# EAGLE board Mk4 Final Panel 8up 4x2 (EAGLE 9.0.1), part 18 of 23
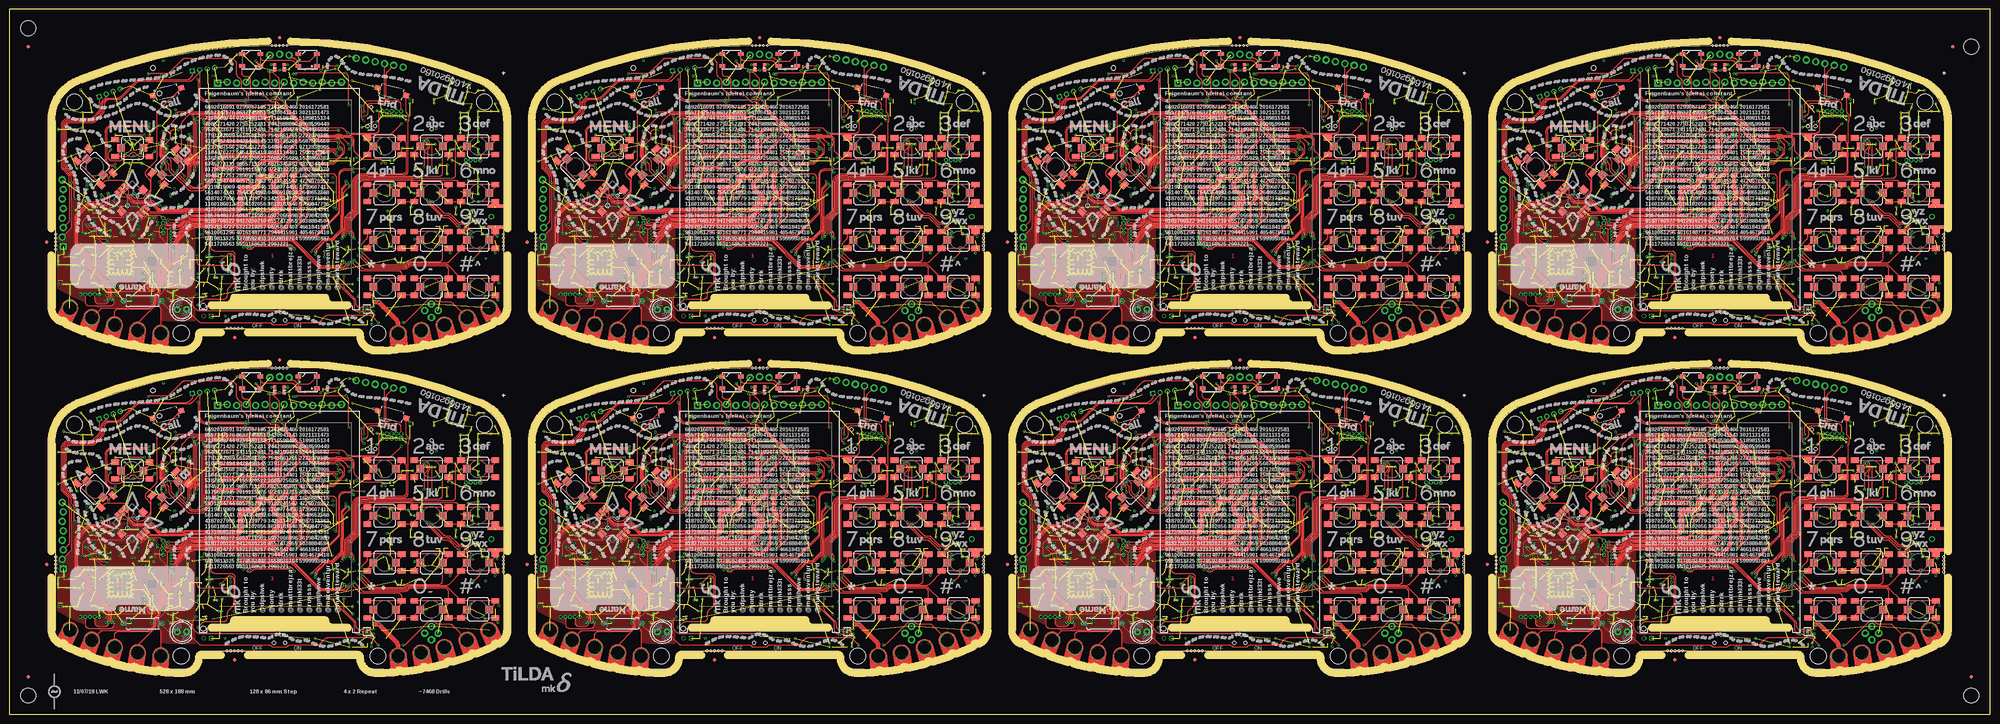
[diagram p0: board, top side]
## Tracks (layer width: path | path; a pad name or v marks a point on that pad's centre or on a via) (continued)
SDRAM_DQML  (via drill 0.3) (continued)
  Top 0.15: v53.25,63.75 53.5,63.75 arc90 54.5,64.75 54.5,68.7 arc90 53.5,69.7 arc-45 52.99,69.91 52.92,69.98 arc-45 52.7,70.51 52.7,71.59 arc-45 52.92,72.12 arc-45 53.54,72.38 arc45 53.84,72.5 54.05,72.71 arc-45 54.75,73 56.83,73 56.97,72.86 arc90 58.03,72.86 58.14,72.97 67.57,72.97 arc-45 67.92,72.83 68.96,71.79 arc-45 69.25,71.09 69.25,71 arc90 70.25,70 v71,70
  Bottom 0.15: IC2.15 53.61,63.9 arc45 v53.25,63.75 | IC1.81 72.2,71.61 arc-45 71.91,70.91 v71,70
SDRAM_DQML1  (via drill 0.3)
  Top 0.15: v181.25,63.75 181.5,63.75 arc90 182.5,64.75 182.5,68.7 arc90 181.5,69.7 arc-45 180.99,69.91 180.92,69.98 arc-45 180.7,70.51 180.7,71.59 arc-45 180.92,72.12 arc-45 181.54,72.38 arc45 181.84,72.5 182.05,72.71 arc-45 182.75,73 184.83,73 184.97,72.86 arc90 186.03,72.86 186.14,72.97 195.57,72.97 arc-45 195.92,72.83 196.96,71.79 arc-45 197.25,71.09 197.25,71 arc90 198.25,70 v199,70
  Bottom 0.15: IC19.15 181.61,63.9 arc45 v181.25,63.75 | IC20.81 200.2,71.61 arc-45 199.91,70.91 v199,70
SDRAM_DQML2  (via drill 0.3)
  Top 0.15: v53.25,149.75 53.5,149.75 arc90 54.5,150.75 54.5,154.7 arc90 53.5,155.7 arc-45 52.99,155.91 52.92,155.98 arc-45 52.7,156.51 52.7,157.59 arc-45 52.92,158.12 arc-45 53.54,158.38 arc45 53.84,158.5 54.05,158.71 arc-45 54.75,159 56.83,159 56.97,158.86 arc90 58.03,158.86 58.14,158.97 67.57,158.97 arc-45 67.92,158.83 68.96,157.79 arc-45 69.25,157.09 69.25,157 arc90 70.25,156 v71,156
  Bottom 0.15: IC37.15 53.61,149.9 arc45 v53.25,149.75 | IC38.81 72.2,157.61 arc-45 71.91,156.91 v71,156
SDRAM_DQML3  (via drill 0.3)
  Top 0.15: v181.25,149.75 181.5,149.75 arc90 182.5,150.75 182.5,154.7 arc90 181.5,155.7 arc-45 180.99,155.91 180.92,155.98 arc-45 180.7,156.51 180.7,157.59 arc-45 180.92,158.12 arc-45 181.54,158.38 arc45 181.84,158.5 182.05,158.71 arc-45 182.75,159 184.83,159 184.97,158.86 arc90 186.03,158.86 186.14,158.97 195.57,158.97 arc-45 195.92,158.83 196.96,157.79 arc-45 197.25,157.09 197.25,157 arc90 198.25,156 v199,156
  Bottom 0.15: IC55.15 181.61,149.9 arc45 v181.25,149.75 | IC56.81 200.2,157.61 arc-45 199.91,156.91 v199,156
SDRAM_DQML4  (via drill 0.3)
  Top 0.15: v309.25,63.75 309.5,63.75 arc90 310.5,64.75 310.5,68.7 arc90 309.5,69.7 arc-45 308.99,69.91 308.92,69.98 arc-45 308.7,70.51 308.7,71.59 arc-45 308.92,72.12 arc-45 309.54,72.38 arc45 309.84,72.5 310.05,72.71 arc-45 310.75,73 312.83,73 312.97,72.86 arc90 314.03,72.86 314.14,72.97 323.57,72.97 arc-45 323.92,72.83 324.96,71.79 arc-45 325.25,71.09 325.25,71 arc90 326.25,70 v327,70
  Bottom 0.15: IC73.15 309.61,63.9 arc45 v309.25,63.75 | IC74.81 328.2,71.61 arc-45 327.91,70.91 v327,70
SDRAM_DQML5  (via drill 0.3)
  Top 0.15: v437.25,63.75 437.5,63.75 arc90 438.5,64.75 438.5,68.7 arc90 437.5,69.7 arc-45 436.99,69.91 436.92,69.98 arc-45 436.7,70.51 436.7,71.59 arc-45 436.92,72.12 arc-45 437.54,72.38 arc45 437.84,72.5 438.05,72.71 arc-45 438.75,73 440.83,73 440.97,72.86 arc90 442.03,72.86 442.14,72.97 451.57,72.97 arc-45 451.92,72.83 452.96,71.79 arc-45 453.25,71.09 453.25,71 arc90 454.25,70 v455,70
  Bottom 0.15: IC91.15 437.61,63.9 arc45 v437.25,63.75 | IC92.81 456.2,71.61 arc-45 455.91,70.91 v455,70
SDRAM_DQML6  (via drill 0.3)
  Top 0.15: v309.25,149.75 309.5,149.75 arc90 310.5,150.75 310.5,154.7 arc90 309.5,155.7 arc-45 308.99,155.91 308.92,155.98 arc-45 308.7,156.51 308.7,157.59 arc-45 308.92,158.12 arc-45 309.54,158.38 arc45 309.84,158.5 310.05,158.71 arc-45 310.75,159 312.83,159 312.97,158.86 arc90 314.03,158.86 314.14,158.97 323.57,158.97 arc-45 323.92,158.83 324.96,157.79 arc-45 325.25,157.09 325.25,157 arc90 326.25,156 v327,156
  Bottom 0.15: IC109.15 309.61,149.9 arc45 v309.25,149.75 | IC110.81 328.2,157.61 arc-45 327.91,156.91 v327,156
SDRAM_DQML7  (via drill 0.3)
  Top 0.15: v437.25,149.75 437.5,149.75 arc90 438.5,150.75 438.5,154.7 arc90 437.5,155.7 arc-45 436.99,155.91 436.92,155.98 arc-45 436.7,156.51 436.7,157.59 arc-45 436.92,158.12 arc-45 437.54,158.38 arc45 437.84,158.5 438.05,158.71 arc-45 438.75,159 440.83,159 440.97,158.86 arc90 442.03,158.86 442.14,158.97 451.57,158.97 arc-45 451.92,158.83 452.96,157.79 arc-45 453.25,157.09 453.25,157 arc90 454.25,156 v455,156
  Bottom 0.15: IC127.15 437.61,149.9 arc45 v437.25,149.75 | IC128.81 456.2,157.61 arc-45 455.91,156.91 v455,156
SIM_CLK  (via drill 0.3)
  Top 0.2: v112,51 112,50.91 arc45 112.29,50.21 115.21,47.29 arc45 115.91,47 116.84,47 arc-45 117.54,46.71 119.36,44.89 arc45 120.06,44.6 120.9,44.6 120.95,44.55 121.55,44.55 arc-90 122.05,44.05 122.05,43.8 arc-45 121.99,43.66 121.96,43.62 arc45 121.9,43.48 121.9,43.16 arc45 122.05,42.8 v122.65,42.2 | v111.5,67.15 111.5,67.12 111.75,66.87 arc-45 111.9,66.52 111.9,65.2 arc-45 111.79,64.94 arc45 111.5,64.24 v111.5,60
  3V3@2 0.2: v122.65,42.2 122.75,42.1 124,42.1 124.75,41.35 124.75,37.7 v126.93,35.52
  Bottom 0.2: J1.C3 v126.93,35.52 | v111.5,60 arc45 111.25,59.4 111.25,53.34 arc-45 111.03,52.81 110.67,52.45 arc45 110.45,51.92 110.45,51.48 arc45 110.6,51.13 110.9,50.83 arc90 111.6,50.83 111.78,51 v112,51 | R27.2 111.5,65.72 111.55,65.77 111.55,66.23 111.5,66.28 v111.5,67.15 | IC10.2 122.45,42.4 v122.65,42.2
SIM_CLK1  (via drill 0.3)
  Top 0.2: v240,51 240,50.91 arc45 240.29,50.21 243.21,47.29 arc45 243.91,47 244.84,47 arc-45 245.54,46.71 247.36,44.89 arc45 248.06,44.6 248.9,44.6 248.95,44.55 249.55,44.55 arc-90 250.05,44.05 250.05,43.8 arc-45 249.99,43.66 249.96,43.62 arc45 249.9,43.48 249.9,43.16 arc45 250.05,42.8 v250.65,42.2 | v239.5,67.15 239.5,67.12 239.75,66.87 arc-45 239.9,66.52 239.9,65.2 arc-45 239.79,64.94 arc45 239.5,64.24 v239.5,60
  3V3@2 0.2: v250.65,42.2 250.75,42.1 252,42.1 252.75,41.35 252.75,37.7 v254.93,35.52
  Bottom 0.2: J14.C3 v254.93,35.52 | v239.5,60 arc45 239.25,59.4 239.25,53.34 arc-45 239.03,52.81 238.67,52.45 arc45 238.45,51.92 238.45,51.48 arc45 238.6,51.13 238.9,50.83 arc90 239.6,50.83 239.78,51 v240,51 | R109.2 239.5,65.72 239.55,65.77 239.55,66.23 239.5,66.28 v239.5,67.15 | IC25.2 250.45,42.4 v250.65,42.2
SIM_CLK2  (via drill 0.3)
  Top 0.2: v112,137 112,136.91 arc45 112.29,136.21 115.21,133.29 arc45 115.91,133 116.84,133 arc-45 117.54,132.71 119.36,130.89 arc45 120.06,130.6 120.9,130.6 120.95,130.55 121.55,130.55 arc-90 122.05,130.05 122.05,129.8 arc-45 121.99,129.66 121.96,129.62 arc45 121.9,129.48 121.9,129.16 arc45 122.05,128.8 v122.65,128.2 | v111.5,153.15 111.5,153.12 111.75,152.87 arc-45 111.9,152.52 111.9,151.2 arc-45 111.79,150.94 arc45 111.5,150.24 v111.5,146
  3V3@2 0.2: v122.65,128.2 122.75,128.1 124,128.1 124.75,127.35 124.75,123.7 v126.93,121.52
  Bottom 0.2: J24.C3 v126.93,121.52 | v111.5,146 arc45 111.25,145.4 111.25,139.34 arc-45 111.03,138.81 110.67,138.45 arc45 110.45,137.92 110.45,137.48 arc45 110.6,137.13 110.9,136.83 arc90 111.6,136.83 111.78,137 v112,137 | R187.2 111.5,151.72 111.55,151.77 111.55,152.23 111.5,152.28 v111.5,153.15 | IC43.2 122.45,128.4 v122.65,128.2
SIM_CLK3  (via drill 0.3)
  Top 0.2: v240,137 240,136.91 arc45 240.29,136.21 243.21,133.29 arc45 243.91,133 244.84,133 arc-45 245.54,132.71 247.36,130.89 arc45 248.06,130.6 248.9,130.6 248.95,130.55 249.55,130.55 arc-90 250.05,130.05 250.05,129.8 arc-45 249.99,129.66 249.96,129.62 arc45 249.9,129.48 249.9,129.16 arc45 250.05,128.8 v250.65,128.2 | v239.5,153.15 239.5,153.12 239.75,152.87 arc-45 239.9,152.52 239.9,151.2 arc-45 239.79,150.94 arc45 239.5,150.24 v239.5,146
  3V3@2 0.2: v250.65,128.2 250.75,128.1 252,128.1 252.75,127.35 252.75,123.7 v254.93,121.52
  Bottom 0.2: J34.C3 v254.93,121.52 | v239.5,146 arc45 239.25,145.4 239.25,139.34 arc-45 239.03,138.81 238.67,138.45 arc45 238.45,137.92 238.45,137.48 arc45 238.6,137.13 238.9,136.83 arc90 239.6,136.83 239.78,137 v240,137 | R265.2 239.5,151.72 239.55,151.77 239.55,152.23 239.5,152.28 v239.5,153.15 | IC61.2 250.45,128.4 v250.65,128.2
SIM_CLK4  (via drill 0.3)
  Top 0.2: v368,51 368,50.91 arc45 368.29,50.21 371.21,47.29 arc45 371.91,47 372.84,47 arc-45 373.54,46.71 375.36,44.89 arc45 376.06,44.6 376.9,44.6 376.95,44.55 377.55,44.55 arc-90 378.05,44.05 378.05,43.8 arc-45 377.99,43.66 377.96,43.62 arc45 377.9,43.48 377.9,43.16 arc45 378.05,42.8 v378.65,42.2 | v367.5,67.15 367.5,67.12 367.75,66.87 arc-45 367.9,66.52 367.9,65.2 arc-45 367.79,64.94 arc45 367.5,64.24 v367.5,60
  3V3@2 0.2: v378.65,42.2 378.75,42.1 380,42.1 380.75,41.35 380.75,37.7 v382.93,35.52
  Bottom 0.2: J44.C3 v382.93,35.52 | v367.5,60 arc45 367.25,59.4 367.25,53.34 arc-45 367.03,52.81 366.67,52.45 arc45 366.45,51.92 366.45,51.48 arc45 366.6,51.13 366.9,50.83 arc90 367.6,50.83 367.78,51 v368,51 | R343.2 367.5,65.72 367.55,65.77 367.55,66.23 367.5,66.28 v367.5,67.15 | IC79.2 378.45,42.4 v378.65,42.2
SIM_CLK5  (via drill 0.3)
  Top 0.2: v496,51 496,50.91 arc45 496.29,50.21 499.21,47.29 arc45 499.91,47 500.84,47 arc-45 501.54,46.71 503.36,44.89 arc45 504.06,44.6 504.9,44.6 504.95,44.55 505.55,44.55 arc-90 506.05,44.05 506.05,43.8 arc-45 505.99,43.66 505.96,43.62 arc45 505.9,43.48 505.9,43.16 arc45 506.05,42.8 v506.65,42.2 | v495.5,67.15 495.5,67.12 495.75,66.87 arc-45 495.9,66.52 495.9,65.2 arc-45 495.79,64.94 arc45 495.5,64.24 v495.5,60
  3V3@2 0.2: v506.65,42.2 506.75,42.1 508,42.1 508.75,41.35 508.75,37.7 v510.93,35.52
  Bottom 0.2: J54.C3 v510.93,35.52 | v495.5,60 arc45 495.25,59.4 495.25,53.34 arc-45 495.03,52.81 494.67,52.45 arc45 494.45,51.92 494.45,51.48 arc45 494.6,51.13 494.9,50.83 arc90 495.6,50.83 495.78,51 v496,51 | R421.2 495.5,65.72 495.55,65.77 495.55,66.23 495.5,66.28 v495.5,67.15 | IC97.2 506.45,42.4 v506.65,42.2
SIM_CLK6  (via drill 0.3)
  Top 0.2: v368,137 368,136.91 arc45 368.29,136.21 371.21,133.29 arc45 371.91,133 372.84,133 arc-45 373.54,132.71 375.36,130.89 arc45 376.06,130.6 376.9,130.6 376.95,130.55 377.55,130.55 arc-90 378.05,130.05 378.05,129.8 arc-45 377.99,129.66 377.96,129.62 arc45 377.9,129.48 377.9,129.16 arc45 378.05,128.8 v378.65,128.2 | v367.5,153.15 367.5,153.12 367.75,152.87 arc-45 367.9,152.52 367.9,151.2 arc-45 367.79,150.94 arc45 367.5,150.24 v367.5,146
  3V3@2 0.2: v378.65,128.2 378.75,128.1 380,128.1 380.75,127.35 380.75,123.7 v382.93,121.52
  Bottom 0.2: J64.C3 v382.93,121.52 | v367.5,146 arc45 367.25,145.4 367.25,139.34 arc-45 367.03,138.81 366.67,138.45 arc45 366.45,137.92 366.45,137.48 arc45 366.6,137.13 366.9,136.83 arc90 367.6,136.83 367.78,137 v368,137 | R499.2 367.5,151.72 367.55,151.77 367.55,152.23 367.5,152.28 v367.5,153.15 | IC115.2 378.45,128.4 v378.65,128.2
SIM_CLK7  (via drill 0.3)
  Top 0.2: v496,137 496,136.91 arc45 496.29,136.21 499.21,133.29 arc45 499.91,133 500.84,133 arc-45 501.54,132.71 503.36,130.89 arc45 504.06,130.6 504.9,130.6 504.95,130.55 505.55,130.55 arc-90 506.05,130.05 506.05,129.8 arc-45 505.99,129.66 505.96,129.62 arc45 505.9,129.48 505.9,129.16 arc45 506.05,128.8 v506.65,128.2 | v495.5,153.15 495.5,153.12 495.75,152.87 arc-45 495.9,152.52 495.9,151.2 arc-45 495.79,150.94 arc45 495.5,150.24 v495.5,146
  3V3@2 0.2: v506.65,128.2 506.75,128.1 508,128.1 508.75,127.35 508.75,123.7 v510.93,121.52
  Bottom 0.2: J74.C3 v510.93,121.52 | v495.5,146 arc45 495.25,145.4 495.25,139.34 arc-45 495.03,138.81 494.67,138.45 arc45 494.45,137.92 494.45,137.48 arc45 494.6,137.13 494.9,136.83 arc90 495.6,136.83 495.78,137 v496,137 | R577.2 495.5,151.72 495.55,151.77 495.55,152.23 495.5,152.28 v495.5,153.15 | IC133.2 506.45,128.4 v506.65,128.2
SIM_CLK_R
  Bottom 0.2: IC5.16 111.4,63.9 R27.1 C49.2
SIM_CLK_R1
  Bottom 0.2: IC21.16 239.4,63.9 R109.1 C156.2
SIM_CLK_R2
  Bottom 0.2: IC39.16 111.4,149.9 R187.1 C264.2
SIM_CLK_R3
  Bottom 0.2: IC57.16 239.4,149.9 R265.1 C372.2
SIM_CLK_R4
  Bottom 0.2: IC75.16 367.4,63.9 R343.1 C480.2
SIM_CLK_R5
  Bottom 0.2: IC93.16 495.4,63.9 R421.1 C588.2
SIM_CLK_R6
  Bottom 0.2: IC111.16 367.4,149.9 R499.1 C696.2
SIM_CLK_R7
  Bottom 0.2: IC129.16 495.4,149.9 R577.1 C804.2
SIM_CTS
  Bottom 0.2: R34.1 98.5,50.25 TP4.TP
SIM_CTS1
  Bottom 0.2: R117.1 226.5,50.25 TP23.TP
SIM_CTS2
  Bottom 0.2: R195.1 98.5,136.25 TP42.TP
SIM_CTS3
  Bottom 0.2: R273.1 226.5,136.25 TP61.TP
SIM_CTS4
  Bottom 0.2: R351.1 354.5,50.25 TP80.TP
SIM_CTS5
  Bottom 0.2: R429.1 482.5,50.25 TP99.TP
SIM_CTS6
  Bottom 0.2: R507.1 354.5,136.25 TP118.TP
SIM_CTS7
  Bottom 0.2: R585.1 482.5,136.25 TP137.TP
SIM_CTS_R
  Bottom 0.15: IC5.4 R34.2
SIM_CTS_R1
  Bottom 0.15: IC21.4 R117.2
SIM_CTS_R2
  Bottom 0.15: IC39.4 R195.2
SIM_CTS_R3
  Bottom 0.15: IC57.4 R273.2
SIM_CTS_R4
  Bottom 0.15: IC75.4 R351.2
SIM_CTS_R5
  Bottom 0.15: IC93.4 R429.2
SIM_CTS_R6
  Bottom 0.15: IC111.4 R507.2
SIM_CTS_R7
  Bottom 0.15: IC129.4 R585.2
SIM_D_N
  Bottom 0.25: IC5.26 121.35,54.65 121.7,55 122.1,55 arc90 123.8,56.7 123.8,61.37 arc-90 JP9.2
SIM_D_N1
  Bottom 0.25: IC21.26 249.35,54.65 249.7,55 250.1,55 arc90 251.8,56.7 251.8,61.37 arc-90 JP14.2
SIM_D_N2
  Bottom 0.25: IC39.26 121.35,140.65 121.7,141 122.1,141 arc90 123.8,142.7 123.8,147.37 arc-90 JP23.2
SIM_D_N3
  Bottom 0.25: IC57.26 249.35,140.65 249.7,141 250.1,141 arc90 251.8,142.7 251.8,147.37 arc-90 JP32.2
SIM_D_N4
  Bottom 0.25: IC75.26 377.35,54.65 377.7,55 378.1,55 arc90 379.8,56.7 379.8,61.37 arc-90 JP41.2
SIM_D_N5
  Bottom 0.25: IC93.26 505.35,54.65 505.7,55 506.1,55 arc90 507.8,56.7 507.8,61.37 arc-90 JP50.2
SIM_D_N6
  Bottom 0.25: IC111.26 377.35,140.65 377.7,141 378.1,141 arc90 379.8,142.7 379.8,147.37 arc-90 JP59.2
SIM_D_N7
  Bottom 0.25: IC129.26 505.35,140.65 505.7,141 506.1,141 arc90 507.8,142.7 507.8,147.37 arc-90 JP68.2
SIM_D_P
  Bottom 0.25: IC5.25 121.35,55.75 121.7,55.4 122.1,55.4 arc90 123.4,56.7 123.4,61.36 arc90 JP9.3
SIM_D_P1
  Bottom 0.25: IC21.25 249.35,55.75 249.7,55.4 250.1,55.4 arc90 251.4,56.7 251.4,61.36 arc90 JP14.3
SIM_D_P2
  Bottom 0.25: IC39.25 121.35,141.75 121.7,141.4 122.1,141.4 arc90 123.4,142.7 123.4,147.36 arc90 JP23.3
SIM_D_P3
  Bottom 0.25: IC57.25 249.35,141.75 249.7,141.4 250.1,141.4 arc90 251.4,142.7 251.4,147.36 arc90 JP32.3
SIM_D_P4
  Bottom 0.25: IC75.25 377.35,55.75 377.7,55.4 378.1,55.4 arc90 379.4,56.7 379.4,61.36 arc90 JP41.3
SIM_D_P5
  Bottom 0.25: IC93.25 505.35,55.75 505.7,55.4 506.1,55.4 arc90 507.4,56.7 507.4,61.36 arc90 JP50.3
SIM_D_P6
  Bottom 0.25: IC111.25 377.35,141.75 377.7,141.4 378.1,141.4 arc90 379.4,142.7 379.4,147.36 arc90 JP59.3
SIM_D_P7
  Bottom 0.25: IC129.25 505.35,141.75 505.7,141.4 506.1,141.4 arc90 507.4,142.7 507.4,147.36 arc90 JP68.3
SIM_DATA  (via drill 0.3)
  Top 0.2: v123.75,35.5 125.21,36.96 arc45 125.5,37.66 v125.5,38 | v110.5,60 110.5,63.73 arc-45 110.79,64.44 111.26,64.9 arc45 111.55,65.61 111.55,66.05 arc90 111.05,66.55 110.95,66.55 v110.5,67 | v112.75,50.75 115.71,47.79 arc45 116.41,47.5 117.09,47.5 arc-45 117.79,47.21 119.71,45.29 arc45 120.41,45 121.04,45 arc-45 121.14,44.96 arc45 121.28,44.9 121.9,44.9 arc-90 122.4,44.4 122.4,43.76 arc45 122.55,43.4 v123.3,42.65
  3V3@2 0.2: v125.5,38 125.25,38.25 125.25,41.45 124.05,42.65 v123.3,42.65
  Bottom 0.2: J1.C7 122.87,35.5 v123.75,35.5 | v110.5,60 arc-45 110.75,59.4 110.75,53.33 arc-45 110.53,52.8 110.32,52.59 arc45 110.1,52.06 110.1,51.44 arc45 110.32,50.91 110.8,50.43 arc90 112.21,50.43 112.53,50.75 v112.75,50.75 | R26.2 109.5,65.59 arc-45 109.79,66.29 v110.5,67 | IC10.1 122.7,42.9 arc-45 v123.3,42.65
SIM_DATA1  (via drill 0.3)
  Top 0.2: v251.75,35.5 253.21,36.96 arc45 253.5,37.66 v253.5,38 | v238.5,60 238.5,63.73 arc-45 238.79,64.44 239.26,64.9 arc45 239.55,65.61 239.55,66.05 arc90 239.05,66.55 238.95,66.55 v238.5,67 | v240.75,50.75 243.71,47.79 arc45 244.41,47.5 245.09,47.5 arc-45 245.79,47.21 247.71,45.29 arc45 248.41,45 249.04,45 arc-45 249.14,44.96 arc45 249.28,44.9 249.9,44.9 arc-90 250.4,44.4 250.4,43.76 arc45 250.55,43.4 v251.3,42.65
  3V3@2 0.2: v253.5,38 253.25,38.25 253.25,41.45 252.05,42.65 v251.3,42.65
  Bottom 0.2: J14.C7 250.87,35.5 v251.75,35.5 | v238.5,60 arc-45 238.75,59.4 238.75,53.33 arc-45 238.53,52.8 238.32,52.59 arc45 238.1,52.06 238.1,51.44 arc45 238.32,50.91 238.79,50.43 arc90 240.21,50.43 240.53,50.75 v240.75,50.75 | R108.2 237.5,65.59 arc-45 237.79,66.29 v238.5,67 | IC25.1 250.7,42.9 arc-45 v251.3,42.65
SIM_DATA2  (via drill 0.3)
  Top 0.2: v123.75,121.5 125.21,122.96 arc45 125.5,123.66 v125.5,124 | v110.5,146 110.5,149.73 arc-45 110.79,150.44 111.26,150.9 arc45 111.55,151.61 111.55,152.05 arc90 111.05,152.55 110.95,152.55 v110.5,153 | v112.75,136.75 115.71,133.79 arc45 116.41,133.5 117.09,133.5 arc-45 117.79,133.21 119.71,131.29 arc45 120.41,131 121.04,131 arc-45 121.14,130.96 arc45 121.28,130.9 121.9,130.9 arc-90 122.4,130.4 122.4,129.76 arc45 122.55,129.4 v123.3,128.65
  3V3@2 0.2: v125.5,124 125.25,124.25 125.25,127.45 124.05,128.65 v123.3,128.65
  Bottom 0.2: J24.C7 122.87,121.5 v123.75,121.5 | v110.5,146 arc-45 110.75,145.4 110.75,139.33 arc-45 110.53,138.8 110.32,138.59 arc45 110.1,138.06 110.1,137.44 arc45 110.32,136.91 110.8,136.43 arc90 112.21,136.43 112.53,136.75 v112.75,136.75 | R186.2 109.5,151.59 arc-45 109.79,152.29 v110.5,153 | IC43.1 122.7,128.9 arc-45 v123.3,128.65
SIM_DATA3  (via drill 0.3)
  Top 0.2: v251.75,121.5 253.21,122.96 arc45 253.5,123.66 v253.5,124 | v238.5,146 238.5,149.73 arc-45 238.79,150.44 239.26,150.9 arc45 239.55,151.61 239.55,152.05 arc90 239.05,152.55 238.95,152.55 v238.5,153 | v240.75,136.75 243.71,133.79 arc45 244.41,133.5 245.09,133.5 arc-45 245.79,133.21 247.71,131.29 arc45 248.41,131 249.04,131 arc-45 249.14,130.96 arc45 249.28,130.9 249.9,130.9 arc-90 250.4,130.4 250.4,129.76 arc45 250.55,129.4 v251.3,128.65
  3V3@2 0.2: v253.5,124 253.25,124.25 253.25,127.45 252.05,128.65 v251.3,128.65
  Bottom 0.2: J34.C7 250.87,121.5 v251.75,121.5 | v238.5,146 arc-45 238.75,145.4 238.75,139.33 arc-45 238.53,138.8 238.32,138.59 arc45 238.1,138.06 238.1,137.44 arc45 238.32,136.91 238.79,136.43 arc90 240.21,136.43 240.53,136.75 v240.75,136.75 | R264.2 237.5,151.59 arc-45 237.79,152.29 v238.5,153 | IC61.1 250.7,128.9 arc-45 v251.3,128.65
SIM_DATA4  (via drill 0.3)
  Top 0.2: v379.75,35.5 381.21,36.96 arc45 381.5,37.66 v381.5,38 | v366.5,60 366.5,63.73 arc-45 366.79,64.44 367.26,64.9 arc45 367.55,65.61 367.55,66.05 arc90 367.05,66.55 366.95,66.55 v366.5,67 | v368.75,50.75 371.71,47.79 arc45 372.41,47.5 373.09,47.5 arc-45 373.79,47.21 375.71,45.29 arc45 376.41,45 377.04,45 arc-45 377.14,44.96 arc45 377.28,44.9 377.9,44.9 arc-90 378.4,44.4 378.4,43.76 arc45 378.55,43.4 v379.3,42.65
  3V3@2 0.2: v381.5,38 381.25,38.25 381.25,41.45 380.05,42.65 v379.3,42.65
  Bottom 0.2: J44.C7 378.87,35.5 v379.75,35.5 | v366.5,60 arc-45 366.75,59.4 366.75,53.33 arc-45 366.53,52.8 366.32,52.59 arc45 366.1,52.06 366.1,51.44 arc45 366.32,50.91 366.8,50.43 arc90 368.21,50.43 368.53,50.75 v368.75,50.75 | R342.2 365.5,65.59 arc-45 365.79,66.29 v366.5,67 | IC79.1 378.7,42.9 arc-45 v379.3,42.65
SIM_DATA5  (via drill 0.3)
  Top 0.2: v507.75,35.5 509.21,36.96 arc45 509.5,37.66 v509.5,38 | v494.5,60 494.5,63.73 arc-45 494.79,64.44 495.26,64.9 arc45 495.55,65.61 495.55,66.05 arc90 495.05,66.55 494.95,66.55 v494.5,67 | v496.75,50.75 499.71,47.79 arc45 500.41,47.5 501.09,47.5 arc-45 501.79,47.21 503.71,45.29 arc45 504.41,45 505.04,45 arc-45 505.14,44.96 arc45 505.28,44.9 505.9,44.9 arc-90 506.4,44.4 506.4,43.76 arc45 506.55,43.4 v507.3,42.65
  3V3@2 0.2: v509.5,38 509.25,38.25 509.25,41.45 508.05,42.65 v507.3,42.65
  Bottom 0.2: J54.C7 506.87,35.5 v507.75,35.5 | v494.5,60 arc-45 494.75,59.4 494.75,53.33 arc-45 494.53,52.8 494.32,52.59 arc45 494.1,52.06 494.1,51.44 arc45 494.32,50.91 494.8,50.43 arc90 496.21,50.43 496.53,50.75 v496.75,50.75 | R420.2 493.5,65.59 arc-45 493.79,66.29 v494.5,67 | IC97.1 506.7,42.9 arc-45 v507.3,42.65
SIM_DATA6  (via drill 0.3)
  Top 0.2: v379.75,121.5 381.21,122.96 arc45 381.5,123.66 v381.5,124 | v366.5,146 366.5,149.73 arc-45 366.79,150.44 367.26,150.9 arc45 367.55,151.61 367.55,152.05 arc90 367.05,152.55 366.95,152.55 v366.5,153 | v368.75,136.75 371.71,133.79 arc45 372.41,133.5 373.09,133.5 arc-45 373.79,133.21 375.71,131.29 arc45 376.41,131 377.04,131 arc-45 377.14,130.96 arc45 377.28,130.9 377.9,130.9 arc-90 378.4,130.4 378.4,129.76 arc45 378.55,129.4 v379.3,128.65
  3V3@2 0.2: v381.5,124 381.25,124.25 381.25,127.45 380.05,128.65 v379.3,128.65
  Bottom 0.2: J64.C7 378.87,121.5 v379.75,121.5 | v366.5,146 arc-45 366.75,145.4 366.75,139.33 arc-45 366.53,138.8 366.32,138.59 arc45 366.1,138.06 366.1,137.44 arc45 366.32,136.91 366.8,136.43 arc90 368.21,136.43 368.53,136.75 v368.75,136.75 | R498.2 365.5,151.59 arc-45 365.79,152.29 v366.5,153 | IC115.1 378.7,128.9 arc-45 v379.3,128.65
SIM_DATA7  (via drill 0.3)
  Top 0.2: v507.75,121.5 509.21,122.96 arc45 509.5,123.66 v509.5,124 | v494.5,146 494.5,149.73 arc-45 494.79,150.44 495.26,150.9 arc45 495.55,151.61 495.55,152.05 arc90 495.05,152.55 494.95,152.55 v494.5,153 | v496.75,136.75 499.71,133.79 arc45 500.41,133.5 501.09,133.5 arc-45 501.79,133.21 503.71,131.29 arc45 504.41,131 505.04,131 arc-45 505.14,130.96 arc45 505.28,130.9 505.9,130.9 arc-90 506.4,130.4 506.4,129.76 arc45 506.55,129.4 v507.3,128.65
  3V3@2 0.2: v509.5,124 509.25,124.25 509.25,127.45 508.05,128.65 v507.3,128.65
  Bottom 0.2: J74.C7 506.87,121.5 v507.75,121.5 | v494.5,146 arc-45 494.75,145.4 494.75,139.33 arc-45 494.53,138.8 494.32,138.59 arc45 494.1,138.06 494.1,137.44 arc45 494.32,136.91 494.8,136.43 arc90 496.21,136.43 496.53,136.75 v496.75,136.75 | R576.2 493.5,151.59 arc-45 493.79,152.29 v494.5,153 | IC133.1 506.7,128.9 arc-45 v507.3,128.65
SIM_DATA_R
  Bottom 0.2: C50.2 R26.1 109.5,63.91 arc45 109.79,63.21 110.01,62.99 arc-45 110.3,62.29 IC5.15
SIM_DATA_R1
  Bottom 0.2: C157.2 R108.1 237.5,63.91 arc45 237.79,63.21 238.01,62.99 arc-45 238.3,62.29 IC21.15
SIM_DATA_R2
  Bottom 0.2: C265.2 R186.1 109.5,149.91 arc45 109.79,149.21 110.01,148.99 arc-45 110.3,148.29 IC39.15
SIM_DATA_R3
  Bottom 0.2: C373.2 R264.1 237.5,149.91 arc45 237.79,149.21 238.01,148.99 arc-45 238.3,148.29 IC57.15
SIM_DATA_R4
  Bottom 0.2: C481.2 R342.1 365.5,63.91 arc45 365.79,63.21 366.01,62.99 arc-45 366.3,62.29 IC75.15
SIM_DATA_R5
  Bottom 0.2: C589.2 R420.1 493.5,63.91 arc45 493.79,63.21 494.01,62.99 arc-45 494.3,62.29 IC93.15
SIM_DATA_R6
  Bottom 0.2: C697.2 R498.1 365.5,149.91 arc45 365.79,149.21 366.01,148.99 arc-45 366.3,148.29 IC111.15
SIM_DATA_R7
  Bottom 0.2: C805.2 R576.1 493.5,149.91 arc45 493.79,149.21 494.01,148.99 arc-45 494.3,148.29 IC129.15
SIM_DCD
  Bottom 0.2: R33.1 100,51.25 TP3.TP
SIM_DCD1
  Bottom 0.2: R116.1 228,51.25 TP22.TP
SIM_DCD2
  Bottom 0.2: R194.1 100,137.25 TP41.TP
SIM_DCD3
  Bottom 0.2: R272.1 228,137.25 TP60.TP
SIM_DCD4
  Bottom 0.2: R350.1 356,51.25 TP79.TP
SIM_DCD5
  Bottom 0.2: R428.1 484,51.25 TP98.TP
SIM_DCD6
  Bottom 0.2: R506.1 356,137.25 TP117.TP
SIM_DCD7
  Bottom 0.2: R584.1 484,137.25 TP136.TP
SIM_DCD_R
  Bottom 0.15: IC5.5 102.6,51.35 R33.2
SIM_DCD_R1
  Bottom 0.15: IC21.5 230.6,51.35 R116.2
SIM_DCD_R2
  Bottom 0.15: IC39.5 102.6,137.35 R194.2
SIM_DCD_R3
  Bottom 0.15: IC57.5 230.6,137.35 R272.2
SIM_DCD_R4
  Bottom 0.15: IC75.5 358.6,51.35 R350.2
SIM_DCD_R5
  Bottom 0.15: IC93.5 486.6,51.35 R428.2
SIM_DCD_R6
  Bottom 0.15: IC111.5 358.6,137.35 R506.2
SIM_DCD_R7
  Bottom 0.15: IC129.5 486.6,137.35 R584.2
SIM_DET
  Bottom 0.2: IC5.14 109.2,47 arc90 110.2,46 117.09,46 arc-45 117.79,45.71 118.71,44.79 arc-45 119,44.09 R29.2 119,40.41 arc45 119.29,39.71 120.65,38.35 arc45 121.35,38.06 J1.C8
SIM_DET1
  Bottom 0.2: IC21.14 237.2,47 arc90 238.2,46 245.09,46 arc-45 245.79,45.71 246.71,44.79 arc-45 247,44.09 R111.2 247,40.41 arc45 247.29,39.71 248.65,38.35 arc45 249.35,38.06 J14.C8
SIM_DET2
  Bottom 0.2: IC39.14 109.2,133 arc90 110.2,132 117.09,132 arc-45 117.79,131.71 118.71,130.79 arc-45 119,130.09 R189.2 119,126.41 arc45 119.29,125.71 120.65,124.35 arc45 121.35,124.06 J24.C8
SIM_DET3
  Bottom 0.2: IC57.14 237.2,133 arc90 238.2,132 245.09,132 arc-45 245.79,131.71 246.71,130.79 arc-45 247,130.09 R267.2 247,126.41 arc45 247.29,125.71 248.65,124.35 arc45 249.35,124.06 J34.C8
SIM_DET4
  Bottom 0.2: IC75.14 365.2,47 arc90 366.2,46 373.09,46 arc-45 373.79,45.71 374.71,44.79 arc-45 375,44.09 R345.2 375,40.41 arc45 375.29,39.71 376.65,38.35 arc45 377.35,38.06 J44.C8
SIM_DET5
  Bottom 0.2: IC93.14 493.2,47 arc90 494.2,46 501.09,46 arc-45 501.79,45.71 502.71,44.79 arc-45 503,44.09 R423.2 503,40.41 arc45 503.29,39.71 504.65,38.35 arc45 505.35,38.06 J54.C8
SIM_DET6
  Bottom 0.2: IC111.14 365.2,133 arc90 366.2,132 373.09,132 arc-45 373.79,131.71 374.71,130.79 arc-45 375,130.09 R501.2 375,126.41 arc45 375.29,125.71 376.65,124.35 arc45 377.35,124.06 J64.C8
SIM_DET7
  Bottom 0.2: IC129.14 493.2,133 arc90 494.2,132 501.09,132 arc-45 501.79,131.71 502.71,130.79 arc-45 503,130.09 R579.2 503,126.41 arc45 503.29,125.71 504.65,124.35 arc45 505.35,124.06 J74.C8